# Allegro board Try it by yourself - iMX6Rex module - DIFF Pair activities.brd (continued)
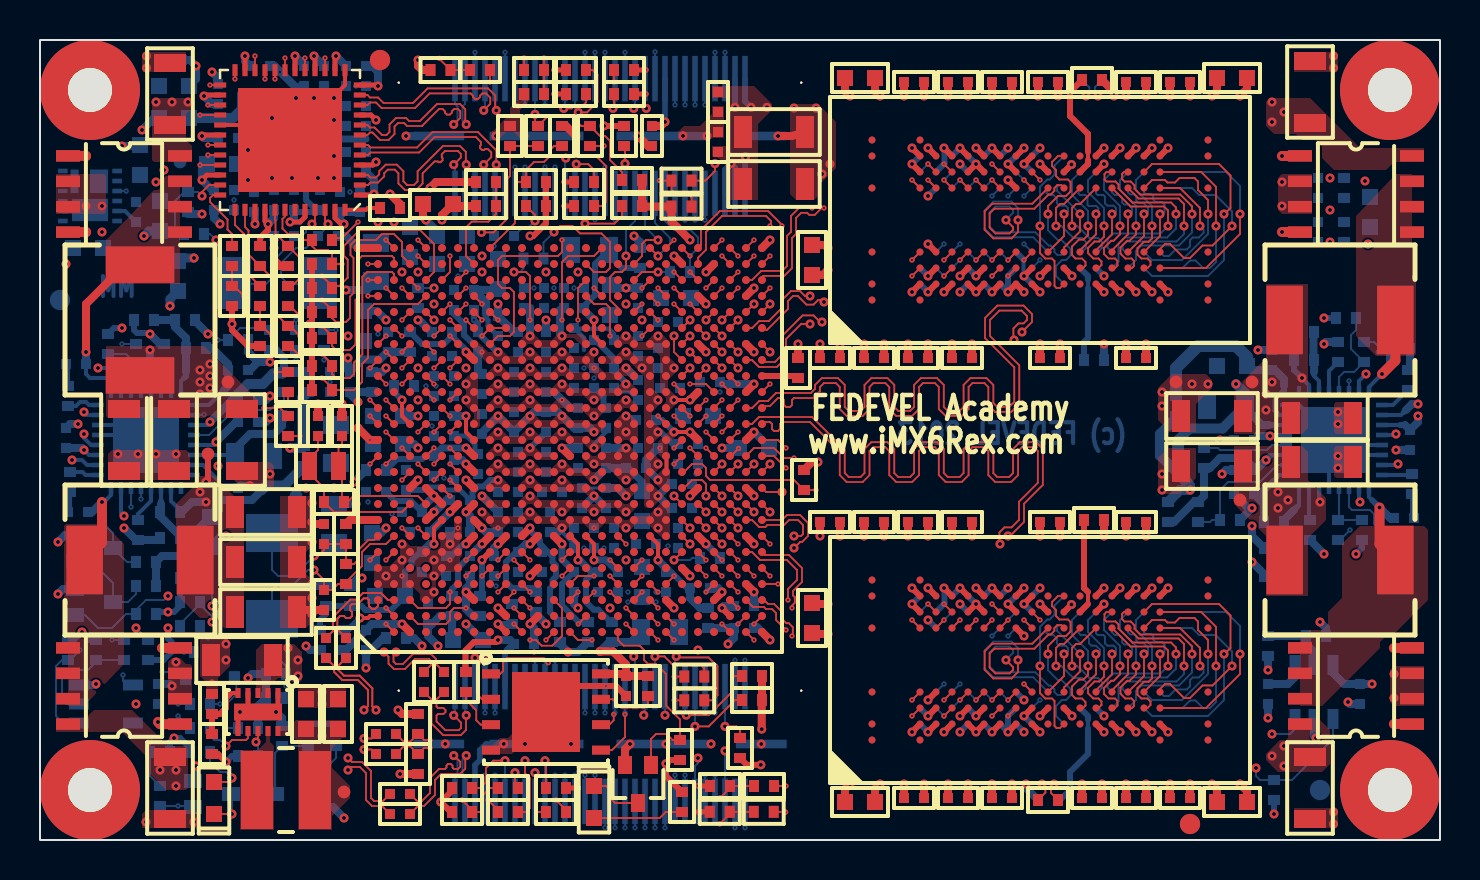
[diagram p0: board, top side]
## Routing (per net, layer and track width the routed paths; a pad name or vN(x,y) marks a point on that pad's centre or on a via; arc(x,y) is an arc through that point) (continued)
DRAM_DQS2_N: length 28.6
  TOP w0.09: v1(37.7,14.6) 37.71,14.6 38.01,14.9 38.1,14.9 38.4,15.2 38.4,15.85 38,16.25 37.35,16.25 37.1,16 U1.AE8
  L10 w0.085: v5(48.8,10.6) 48.7,10.5 48.7,10.23 48.47,10 48.1,10 47.88,9.78 47.88,8.18 47.49,7.8 46.55,7.8 46.12,8.23 46.12,8.58 45.6,9.1 43.8,9.1 43.01,9.88 41.84,9.88 41.5,10.23 41.5,10.8 42,11.3 42,11.6 41.86,11.73 41.52,11.73 40.92,11.13 40.34,11.13 40,11.48 40,11.96 40.77,12.72 40.77,12.97 40.59,13.14 40.35,13.14 39.52,12.32 39.04,12.32 38.7,12.66 38.7,13.14 39.63,14.06 39.63,14.28 39.35,14.55 37.75,14.55 v1(37.7,14.6)
  L11 w0.1: v6(48.4,10.2) v5(48.8,10.6)
  BOTTOM w0.09: v6(48.4,10.2) v5(48.8,10.6)
DRAM_DQS2_P: length 28.6
  TOP w0.09: U1.AD8 35.6,16 35.95,15.65 36.27,15.65 36.37,15.75 37.2,15.75 37.45,16 37.9,16 38.15,15.75 38.15,15.3 38.05,15.2 v1(37.7,15.2)
  L10 w0.085: v1(37.7,15.2) 37.75,15.2 38.12,14.83 39.47,14.83 39.91,14.39 39.91,13.95 38.98,13.02 38.98,12.77 39.16,12.6 39.4,12.6 40.23,13.42 40.71,13.42 41.05,13.08 41.05,12.61 40.28,11.84 40.28,11.59 40.46,11.41 40.8,11.41 41.4,12.01 41.98,12.01 42.28,11.72 42.28,11.18 41.78,10.68 41.78,10.34 41.95,10.16 43.13,10.16 43.91,9.38 45.72,9.38 46.4,8.7 46.4,8.35 46.67,8.08 47.38,8.08 47.6,8.3 47.6,9.89 47.98,10.28 48.35,10.28 48.42,10.35 48.42,10.48 48.3,10.6 v5(48,10.6)
  L11 w0.1: v6(47.6,10.2) v5(48,10.6)
  BOTTOM w0.09: v6(47.6,10.2) v5(48,10.6)
DRAM_DQS3_N: length 19.9
  TOP w0.09: U1.AB10 v1(34.1,17.2)
  L10 w0.085: v5(45.6,8.2) 45.1,8.2 44.92,8.38 43.42,8.38 42.7,9.1 41.52,9.1 40.75,9.87 40.75,10.15 40.38,10.52 40.1,10.52 37.78,12.84 37.78,13.92 37.33,14.37 37.33,16.57 35.87,18.03 34.6,18.03 34.31,17.74 34.31,17.43 34.1,17.22 v1(34.1,17.2)
  L11 w0.1: v6(45.2,7.8) v5(45.6,8.2)
  BOTTOM w0.09: U3.B7 v6(45.2,7.8)
DRAM_DQS3_P: length 19.9
  TOP w0.09: U1.AC10 v1(34.9,17.2)
  L10 w0.085: v1(34.9,17.2) 34.81,17.2 34.59,17.42 34.59,17.62 34.72,17.75 35.75,17.75 37.05,16.45 37.05,14.25 37.5,13.8 37.5,12.72 39.98,10.24 40.27,10.24 40.47,10.03 40.47,9.75 41.4,8.82 42.59,8.82 43.3,8.1 44.8,8.1 44.98,7.92 45.35,7.92 45.6,7.67 v5(45.6,7.4)
  L11 w0.1: v5(45.6,7.4) v6(46,7.8)
  BOTTOM w0.09: v5(45.6,7.4) v6(46,7.8)
DRAM_DQS4_N: length 32
  TOP w0.09: U1.AE18 36.2,23.9 36.75,23.9 37.05,24.2 37.05,25.15 38.13,26.23 38.68,26.23 39.01,25.9 v1(39.1,25.9)
  L10 w0.085: v5(48.8,32.6) 48.68,32.6 48.48,32.4 48.48,32.23 48,31.75 47.25,31.75 46.86,31.36 46.86,30.7 46.55,30.39 46.01,30.39 45.7,30.7 45.7,31.2 45.35,31.55 43.05,31.55 42.76,31.26 42.76,30.5 42.45,30.19 41.91,30.19 41.6,30.5 41.6,31.58 41.45,31.73 41.15,31.73 41,31.58 41,29.66 40.69,29.35 40.15,29.35 39.84,29.66 39.84,30.96 39.69,31.11 39.39,31.11 39.24,30.96 39.24,30.44 38.08,29.28 38.08,28.68 37.58,28.18 36.62,28.18 36.47,28.03 36.47,27.73 36.62,27.58 37.65,27.58 38.12,27.12 38.12,26.88 v1(39.1,25.9)
  L11 w0.1: v6(48.4,32.2) v5(48.8,32.6)
  BOTTOM w0.09: v6(48.4,32.2) v5(48.8,32.6)
DRAM_DQS4_P: length 32
  TOP w0.09: U1.AD18 35.6,24 35.95,23.65 36.85,23.65 37.3,24.1 37.3,25.05 38.05,25.8 v1(38.5,25.8)
  L10 w0.085: v1(38.5,25.8) 38.5,26.1 37.84,26.77 37.84,27 37.54,27.3 36.5,27.3 36.19,27.61 36.19,28.15 36.5,28.46 37.46,28.46 37.8,28.8 37.8,29.4 38.96,30.56 38.96,31.08 39.27,31.39 39.81,31.39 40.12,31.08 40.12,29.78 40.27,29.63 40.57,29.63 40.72,29.78 40.72,31.7 41.03,32.01 41.57,32.01 41.88,31.7 41.88,30.62 42.03,30.47 42.33,30.47 42.48,30.62 42.48,31.38 42.93,31.83 45.46,31.83 45.98,31.32 45.98,30.82 46.13,30.67 46.43,30.67 46.58,30.82 46.58,31.48 47.14,32.03 47.88,32.03 48.2,32.35 48.2,32.5 48.1,32.6 v5(48,32.6)
  L11 w0.1: v6(47.6,32.2) v5(48,32.6)
  BOTTOM w0.09: v6(47.6,32.2) v5(48,32.6)
DRAM_DQS5_N: length 18.5
  TOP w0.09: U1.AE20 36.19,25.51 36.36,25.51 37.4,26.55 37.4,26.95 37.65,27.2 37.89,27.2 38.32,26.77 38.68,26.77 38.91,27 39.1,27 v1(39.2,26.9)
  L10 w0.085: v1(39.2,26.9) 38.96,27.14 38.96,27.39 38.78,27.57 38.78,28.4 39.25,28.87 39.55,28.87 39.8,28.62 39.8,27.5 40.28,27.02 41.42,27.02 41.9,27.5 41.9,28.4 44.1,30.6 44.6,30.6 45.32,29.88 45.32,29.65 45.07,29.4 v5(44.8,29.4)
  L11 w0.1: v5(44.8,29.4) v6(45.2,29.8)
  BOTTOM w0.09: v5(44.8,29.4) v6(45.2,29.8)
DRAM_DQS5_P: length 18.5
  TOP w0.09: v1(38.5,27.2) 38.25,27.2 38,27.45 37.55,27.45 37.15,27.05 37.15,26.66 36.44,25.95 35.96,25.95 35.61,25.6 U1.AD20
  L10 w0.085: v1(38.5,27.2) 38.5,28.52 39.13,29.15 39.67,29.15 40.08,28.74 40.08,27.62 40.4,27.3 41.3,27.3 41.62,27.62 41.62,28.51 43.98,30.88 44.72,30.88 45.6,30 v5(45.6,29.4)
  L11 w0.1: v5(45.6,29.4) v6(46,29.8)
  BOTTOM w0.09: v5(45.6,29.4) v6(46,29.8)
DRAM_DQS6_N: length 17.2
  TOP w0.09: U1.AE23 36.1,28.14 36.16,28.21 37.21,28.21 37.6,28.59 37.6,30.1 37.8,30.3 37.8,31.1 38.06,31.36 38.36,31.36 38.46,31.26 38.74,31.26 39.08,31.6 v2(39.2,31.6) ; v2(44.4,33) v3(44.8,32.6)
  L2 w0.1: v3(38.9,31.9) v2(39.2,31.6) ; v2(44.4,33) v3(44.8,32.6)
  L3 w0.085: v3(38.9,31.9) 39.22,31.58 40.08,31.58 40.6,32.1 43.92,32.1 44.32,31.7 44.7,31.7 45.27,31.13 45.58,31.13 45.75,31.3 45.75,31.62 45.3,32.07 45.3,32.37 45.07,32.6 v3(44.8,32.6)
DRAM_DQS6_P: length 17.2
  TOP w0.09: U1.AD23 35.6,28 36.06,28.46 37.11,28.46 37.35,28.7 37.35,30.2 37.55,30.4 37.55,31.2 37.96,31.61 38.59,31.61 v2(38.6,31.6) ; v2(45.2,33) v3(45.6,32.6)
  L2 w0.1: v2(38.6,31.6) v3(38.9,31.3) ; v2(45.2,33) v3(45.6,32.6)
  L3 w0.085: v3(38.9,31.3) 40.2,31.3 40.72,31.82 43.8,31.82 43.91,31.71 44.2,31.42 44.58,31.42 45.15,30.85 45.7,30.85 46.03,31.18 46.03,31.74 45.58,32.19 45.58,32.58 v3(45.6,32.6)
DRAM_DQS7_N: length 25
  TOP w0.09: v2(36.5,30.7) 36.55,30.75 36.55,30.95 36.3,31.2 34.1,31.2 33.3,30.4 33.3,29.51 32.9,29.11 U1.AA24 ; v2(48.4,29) v3(48.8,29.4)
  L2 w0.1: v2(36.5,30.7) v3(36.8,31) ; v2(48.4,29) v3(48.8,29.4)
  L3 w0.085: v3(48.8,29.4) 48.72,29.48 48.72,29.92 48.82,30.02 49.12,30.02 49.58,30.48 49.58,31.72 49.22,32.08 47.96,32.08 47.6,31.72 47.6,30.35 47.43,30.18 44.95,30.18 44.53,30.6 38.6,30.6 38.2,31 v3(36.8,31)
DRAM_DQS7_P: length 25
  TOP w0.09: v2(37.1,30.7) 37.1,30.76 36.41,31.45 33.99,31.45 33.05,30.51 33.05,29.75 U1.AA25 ; v2(47.6,29) v3(48,29.4)
  L2 w0.1: v2(47.6,29) v3(48,29.4) ; v3(36.8,30.4) v2(37.1,30.7)
  L3 w0.085: v3(36.8,30.4) 36.8,30.47 37.05,30.72 38.08,30.72 38.48,30.32 44.41,30.32 44.83,29.9 47.55,29.9 47.88,30.23 47.88,31.6 48.08,31.8 49.1,31.8 49.3,31.6 49.3,30.6 49,30.3 48.7,30.3 48.44,30.04 48.44,29.62 48.22,29.4 v3(48,29.4)
DRAM_RAS_B: length 70.1
  TOP w0.093: U1.AB15 v2(34.1,22) ; v1(51.2,9.3) 51.2,8.2 U2.J3 ; v1(51.2,31.3) 51.2,30.2 U4.J3
  L2 w0.1: v3(33.8,21.7) v2(34.1,22)
  L3 w0.08: v3(33.8,21.7) 33.71,21.62 33.31,21.62 32.5,20.8 29.8,20.8 29.67,20.93 29.67,21.36 29.46,21.58 28.27,21.58 28.12,21.43 28.12,21.18 28.3,21 28.3,20.55 28.15,20.4 28.15,20.15 28.27,20.03 32.7,20.03 32.87,20.2 32.87,20.37 33.28,20.78 33.28,20.79 33.71,21.22 34,21.22 34.14,21.35 39.33,21.35 41.44,19.25 46.35,19.25 v4(46.5,19.1)
  L10 w0.08: v1(51.2,9.3) 51.2,9.6 52.53,10.93 52.53,12 52.25,12.28 52.25,13.35 50.98,14.63 50.76,14.63 50.42,14.96 50.42,15.31 50.13,15.6 49.82,15.6 49.17,16.25 47.05,16.25 46.8,16.5 46.8,17 46.95,17.15 47.65,17.15 47.8,17.3 47.8,17.55 47.65,17.7 46.95,17.7 46.8,17.85 46.8,18.53 46.5,18.83 v4(46.5,19.1) 46.5,19.2 47,19.7 47,22.4 47.55,22.95 48.68,22.95 49.96,24.22 50.24,24.22 50.57,24.56 50.57,25.11 52.53,27.07 52.53,29.07 51.2,30.41 v1(51.2,31.3)
  BOTTOM w0.093: U5.J3 50.32,32.52 50.32,32.37 50.43,32.25 50.67,32.25 50.85,32.07 50.85,31.84 50.97,31.72 51.28,31.72 51.4,31.6 51.4,31.43 51.27,31.3 v1(51.2,31.3) ; U3.J3 50.32,10.52 50.32,10.37 50.43,10.25 50.67,10.25 50.85,10.07 50.85,9.84 50.97,9.72 51.28,9.72 51.4,9.6 51.4,9.43 51.27,9.3 v1(51.2,9.3)
DRAM_RESET_B: length 80.6
  TOP w0.093: v1(60,31.3) 60,30.3 58.3,28.6 U4.T2 ; U2.T2 58.3,6.6 60,8.3 v1(60,9.3) ; v1(31.7,14) U1.Y6
  L3 w0.08: v1(31.7,14) 31.7,14.53 32.39,15.23 35.12,15.23 35.3,15.4 37.37,15.4 37.54,15.58 55.56,15.58 57.1,17.12 57.1,17.7 57.6,18.2 58.3,18.2 58.9,18.8 59.2,18.8 v4(60.8,20.4)
  L10 w0.08: v1(60,9.3) 61.1,10.4 61.1,18.23 60.8,18.53 v4(60.8,20.4) 60.8,23.43 61.35,23.98 61.35,29.95 v1(60,31.3)
  BOTTOM w0.093: U3.T2 59.3,11.4 60,10.7 v1(60,9.3) ; U5.T2 59.3,33.4 60,32.7 v1(60,31.3) ; R7.2 32.6,14.1 32.5,14 v1(31.7,14) 31.8,14.1
DRAM_SDBA0: length 80.3
  TOP w0.093: v1(53.2,8.7) 53.2,8.17 52.96,7.93 52.72,7.93 52.4,7.6 52.4,7.34 52.67,7.08 52.92,7.08 53.07,6.93 53.07,6.75 52.95,6.63 52.8,6.63 ; 52.77,28.63 52.8,28.63 ; 52.8,28.63 U4.M2 ; 52.8,28.63 52.95,28.63 53.07,28.75 53.07,28.93 52.92,29.08 52.67,29.08 52.4,29.34 52.4,29.6 52.72,29.93 52.96,29.93 53.2,30.17 v1(53.2,30.7) ; U2.M2 52.8,6.63 ; 52.8,6.63 52.77,6.63 ; U1.AC15 v2(34.9,22)
  L2 w0.1: v3(34.6,21.7) v2(34.9,22)
  L3 w0.08: v3(34.6,21.7) 34.7,21.6 39.42,21.6 41.52,19.5 46.7,19.5 46.9,19.3 47.57,19.3 48.15,18.73 50.75,18.73 50.9,18.87 50.9,19.22 50.64,19.48 49.45,19.48 v4(49.28,19.3)
  L10 w0.08: v1(53.2,8.7) 53.2,9.63 55.17,11.61 55.17,12.78 54.95,13 54.43,13 54.11,13.32 54.11,13.59 54.34,13.82 54.34,14.09 54.13,14.3 53.86,14.3 53.58,14.02 53.31,14.02 53.1,14.23 53.1,14.5 53.57,14.98 53.57,15.36 53.36,15.58 53.02,15.58 52.65,15.2 52.38,15.2 52.17,15.41 52.17,15.66 51.35,16.48 51.35,17.9 51.2,18.05 50.95,18.05 50.8,17.9 50.8,17.4 50.65,17.25 50.4,17.25 50.25,17.4 50.25,17.9 50.1,18.05 49.85,18.05 49.7,17.9 49.7,17.65 49.55,17.5 49.3,17.5 49.15,17.65 49.15,18.4 49.3,18.55 50.9,18.55 51.05,18.7 51.05,18.95 50.9,19.1 49.48,19.1 v4(49.28,19.3) 49.28,20.18 49.43,20.33 49.68,20.33 49.83,20.18 49.83,19.77 49.98,19.62 50.23,19.62 50.38,19.77 50.38,20.18 50.53,20.33 50.76,20.33 51.9,21.47 51.9,22.6 52.05,22.75 52.67,22.75 52.82,22.9 52.82,23.15 52.67,23.3 52,23.3 51.85,23.45 51.85,23.7 52,23.85 53.15,23.85 53.3,24 53.3,24.25 53.15,24.4 52.55,24.4 52.4,24.55 52.4,25 52.6,25.2 54.25,25.2 54.4,25.35 54.4,25.6 54.25,25.75 53.65,25.75 53.5,25.9 53.5,26.15 53.65,26.3 55.03,26.3 55.97,27.24 55.97,27.74 53.2,30.52 v1(53.2,30.7)
  BOTTOM w0.093: U3.M2 52.4,11 52.4,10.4 53.2,9.6 v1(53.2,8.7) ; U5.M2 52.4,33 52.4,32.4 53.2,31.6 v1(53.2,30.7)
DRAM_SDBA1: length 77.1
  TOP w0.093: v1(56.8,31.3) 56.8,31.63 56.55,31.88 54.62,31.88 53.92,32.58 53.92,32.78 53.77,32.93 53.33,32.93 53.22,33.03 53.22,33.3 53.33,33.4 U4.N8 ; U1.Y15 v2(32.5,21.2) ; U2.N8 53.33,11.4 53.22,11.3 53.22,11.03 53.33,10.93 53.77,10.93 53.92,10.78 53.92,10.58 54.62,9.88 56.55,9.88 56.8,9.63 v1(56.8,9.3)
  L2 w0.1: v3(32.2,21.5) v2(32.5,21.2)
  L3 w0.08: v4(54.9,21) 54.7,21.2 51.5,21.2 51.02,20.73 50.04,20.73 49.6,21.17 49.6,23.2 48.9,23.9 36.9,23.9 36.77,24.03 33.99,24.03 33.72,23.76 33.72,23.49 32.82,22.59 32.55,22.59 32.12,22.16 32.12,21.58 v3(32.2,21.5)
  L10 w0.08: v1(56.8,31.3) 56.8,30.55 58.8,28.55 58.8,25.63 55.38,22.21 55.38,22.02 55.67,21.73 55.67,21.46 55.57,21.36 55.32,21.36 55.08,21.6 54.9,21.6 54.72,21.43 54.72,21.18 v4(54.9,21) 54.93,21 56.6,19.33 56.6,19.22 58.45,17.37 58.45,11.6 56.8,9.95 v1(56.8,9.3)
  BOTTOM w0.093: U5.N8 53.92,28.93 53.92,29.83 54.22,30.13 56.36,30.13 56.8,30.57 v1(56.8,31.3) ; v1(56.8,9.3) 56.8,8.57 56.36,8.13 54.22,8.13 53.92,7.83 53.92,6.93 U3.N8
DRAM_SDBA2: length 72.4
  TOP w0.093: v2(33.3,19.6) U1.AB12 ; v1(53.6,31.3) 53.6,30.28 52.8,29.48 U4.M3 ; U2.M3 52.8,7.48 53.6,8.28 v1(53.6,9.3)
  L2 w0.1: v2(33.3,19.6) v3(33.6,19.3)
  L3 w0.08: v4(52.5,17.5) 52.5,17.1 52.15,16.75 46.05,16.75 45.52,17.28 44.76,17.28 44.49,17 40.66,17 39.36,18.3 38.5,18.3 38.28,18.52 38.28,18.92 38.12,19.09 37.8,19.09 37.63,18.92 37.63,18.73 37.5,18.6 37.11,18.6 36.74,18.23 36.32,18.23 36.1,18 36.1,17 35.9,16.8 33.9,16.8 33.67,17.03 33.67,17.36 33.46,17.58 33.12,17.58 32.9,17.8 32.9,19 33.2,19.3 v3(33.6,19.3)
  L10 w0.08: v1(53.6,31.3) 53.6,30.47 55.87,28.2 56.13,28.2 56.77,27.56 56.77,27.24 54.67,25.14 54.67,24.64 53.1,23.07 53.1,22.85 52.1,21.85 52.1,21.3 51,20.2 51,19.6 52.6,18 52.6,17.6 v4(52.5,17.5) 52.45,17.45 51.9,17.45 51.75,17.3 51.75,17.05 51.9,16.9 53.5,16.9 53.65,16.75 53.65,16.5 53.5,16.35 52.35,16.35 52.2,16.2 52.2,15.95 52.35,15.8 53.8,15.8 54.15,16.15 54.15,16.4 54.3,16.55 54.55,16.55 54.7,16.4 54.7,15.7 54.57,15.58 54.14,15.58 53.92,15.36 53.92,15.04 54.14,14.83 54.47,14.83 54.6,14.7 54.6,13.5 54.9,13.2 55.53,13.2 55.97,12.76 55.97,12.04 53.6,9.67 v1(53.6,9.3)
  BOTTOM w0.093: U3.M3 52.8,10.33 52.88,10.25 53.17,10.25 53.25,10.17 53.25,9.84 53.37,9.72 53.68,9.72 53.8,9.6 53.8,9.43 53.67,9.3 v1(53.6,9.3) ; U5.M3 52.8,32.33 52.88,32.25 53.17,32.25 53.25,32.17 53.25,31.84 53.37,31.72 53.68,31.72 53.8,31.6 53.8,31.43 53.67,31.3 v1(53.6,31.3)
DRAM_SDCKE0: length 81.5
  TOP w0.093: U1.Y11 32.2,18.4 32.6,18.8 33.1,18.8 33.3,18.6 33.3,18.2 33.5,18 37.7,18 R6.2 v2(38.8,17.5) ; v1(50.4,31.3) 50.4,31.7 50.9,32.2 51.3,32.2 51.52,32.43 51.52,32.9 51.4,33.03 50.98,33.03 50.8,33.2 50.8,33.5 50.6,33.7 50.6,33.9 50.9,34.2 U4.K9 ; v1(50.4,9.3) 50.4,9.7 50.9,10.2 51.3,10.2 51.52,10.43 51.52,10.9 51.4,11.03 50.98,11.03 50.8,11.2 50.8,11.5 50.6,11.7 50.6,11.9 50.9,12.2 U2.K9
  L2 w0.1: v3(38.5,17.8) v2(38.8,17.5)
  L3 w0.08: v4(45.1,16.7) 45,16.7 44.8,16.5 40.25,16.5 40.1,16.65 40.1,16.98 39.95,17.13 39.7,17.13 39.55,16.98 39.55,16.65 39.4,16.5 39.15,16.5 39,16.65 39,17.08 38.85,17.23 38.6,17.23 38.45,17.08 38.45,16.65 38.3,16.5 38.05,16.5 37.9,16.65 37.9,17.08 37.75,17.23 37.5,17.23 37.35,17.08 37.35,16.65 37.2,16.5 36.95,16.5 36.72,16.73 36.72,17.56 36.97,17.8 v3(38.5,17.8)
  L10 w0.08: v1(50.4,9.3) 50.4,9.6 51.95,11.15 51.95,11.97 51.68,12.24 51.68,13.2 50.66,14.23 50.6,14.23 50.22,14.6 49.79,14.6 49.3,15.09 49.3,15.33 48.82,15.8 48.19,15.8 47.94,15.55 47.15,15.55 46.4,16.3 45.75,16.3 45.6,16.45 45.6,16.7 45.75,16.85 46.2,16.85 46.35,17 46.35,17.25 46.2,17.4 45.65,17.4 45.5,17.55 45.5,17.8 45.65,17.95 46.2,17.95 46.35,18.1 46.35,18.35 45.7,19 45.3,19 45,18.7 45,17.38 45.3,17.08 45.3,16.9 v4(45.1,16.7) 44.8,16.7 44.25,17.25 44.25,18.65 45.2,19.6 45.2,22.1 46.55,23.45 48.5,23.45 49.62,24.58 49.62,24.96 49.99,25.32 50.1,25.32 52,27.22 52,28.9 50.4,30.5 v1(50.4,31.3)
  BOTTOM w0.093: U3.K9 50.8,6.2 50.8,6.7 51.1,7 51.3,7 51.52,7.23 51.52,7.55 51.07,8 50.89,8 50.4,8.49 v1(50.4,9.3) ; U5.K9 50.8,28.2 50.8,28.7 51.1,29 51.3,29 51.52,29.22 51.52,29.55 51.07,30 50.89,30 50.4,30.49 v1(50.4,31.3)
DRAM_SDODT0: length 79.1
  TOP w0.093: v1(50,30.7) 50,29.34 50.27,29.08 50.6,29.08 50.72,28.95 50.72,27.7 50.82,27.6 51,27.6 U4.K1 ; v2(34.1,22.8) U1.AC16 ; v1(50,8.7) 50,7.34 50.27,7.08 50.6,7.08 50.72,6.95 50.72,5.7 50.82,5.6 51,5.6 U2.K1
  L2 w0.1: v2(34.1,22.8) v3(34.4,23.1)
  L3 w0.08: v3(34.4,23.1) 34.93,23.1 35.48,23.65 48.83,23.65 49.35,23.13 49.35,21.05 48.92,20.63 47.51,20.63 47.3,20.83 47.3,21.2 47.15,21.35 45,21.35 44.85,21.5 v4(44.7,21.5)
  L10 w0.08: v1(50,30.7) 50,30.5 51.5,29 51.5,28.68 51.22,28.4 51.22,27.98 51.5,27.7 51.5,27.11 49.42,25.04 49.42,24.71 48.42,23.7 46.4,23.7 45.4,22.7 44.9,22.7 44.75,22.55 44.75,22.3 44.6,22.15 44.35,22.15 44.2,22.3 44.2,22.55 44.05,22.7 43.8,22.7 43.65,22.55 43.65,20.4 43.8,20.25 44.1,20.25 44.25,20.4 44.25,21.3 44.45,21.5 v4(44.7,21.5) 44.9,21.3 44.9,19.7 43.9,18.7 43.9,17.27 45.12,16.05 46.28,16.05 47,15.33 48,15.33 48.24,15.58 48.72,15.58 49,15.3 49,15.1 49.7,14.4 50.14,14.4 51.4,13.14 51.4,12.13 51.2,11.93 51.2,11.62 51.4,11.42 51.4,10.95 50.02,9.57 50.02,8.73 v1(50,8.7)
  BOTTOM w0.093: v1(50,30.7) 50,32.66 50.37,33.03 50.48,33.03 50.72,33.27 50.72,33.73 U5.K1 ; v1(50,8.7) 50,10.66 50.37,11.03 50.48,11.03 50.72,11.27 50.72,11.73 U3.K1
DRAM_WE_B: length 70.9
  TOP w0.093: U1.AB16 33.3,22.8 v2(32.5,22.8) ; U4.L3 52,29.48 52.8,30.28 v1(52.8,31.3) ; v1(52.8,9.3) 52.8,8.28 52,7.48 U2.L3
  L2 w0.1: v3(32.2,23.1) v2(32.5,22.8)
  L3 w0.08: v4(50.7,21.1) 50.7,21.2 51.2,21.7 51.5,21.7 51.65,21.85 51.65,22.15 51.5,22.3 51.25,22.3 51.1,22.45 51.1,22.75 51.25,22.9 51.5,22.9 51.65,23.05 51.65,23.95 51.17,24.43 37.34,24.43 36.74,25.03 34.81,25.03 34.26,25.58 33.14,25.58 32.93,25.36 32.93,25.09 32.66,24.83 32.39,24.83 32.12,24.56 32.12,23.4 32.2,23.33 v3(32.2,23.1)
  L10 w0.08: v1(52.8,9.3) 52.8,9.6 54.57,11.38 54.57,12.1 54.37,12.3 54.37,12.76 54.05,13.08 53.89,13.08 51.87,15.1 51.87,15.42 50.05,17.25 49.2,17.25 48.9,17.55 48.9,20.4 49.12,20.63 50.32,20.63 50.7,21 v4(50.7,21.1) 51.05,21.45 51.52,21.45 51.67,21.6 51.67,21.85 51.52,22 50.9,22 50.75,22.15 50.75,22.4 50.9,22.55 51.52,22.55 51.67,22.7 51.67,22.95 51.52,23.1 50.92,23.1 50.77,23.25 50.77,23.5 50.92,23.65 51.5,23.65 52.12,24.28 52.12,25.18 53.77,26.83 54.92,26.83 55.2,27.1 55.2,28.17 52.8,30.57 v1(52.8,31.3)
  BOTTOM w0.093: U5.L3 51.92,32.53 51.92,32.33 52,32.25 52.27,32.25 52.37,32.14 52.37,31.76 52.43,31.7 52.82,31.7 52.92,31.6 52.92,31.4 52.82,31.3 v1(52.8,31.3) ; U3.L3 51.92,10.52 51.92,10.37 52.03,10.25 52.27,10.25 52.45,10.07 52.45,9.84 52.57,9.72 52.8,9.72 53,9.52 53,9.43 52.87,9.3 v1(52.8,9.3)
EN_1V375: length 24.7
  L10 w0.08: v5(4.15,22.95) 3.2,22 3.2,18.48 2.72,18 2.72,16.74 3.1,16.37 v5(3.1,15.5) 3.1,12.7 3.8,12 3.8,11.2 4.16,10.84 4.16,8.7 4.76,8.1 4.76,7.54 5.9,6.4 6.3,6.4 v5(6.5,6.2)
  L11 w0.1: v5(6.5,6.2) v6(6.9,6.2) ; v5(3.1,15.5) v6(3.1,15.9) ; v5(4.15,22.95) v6(4.55,22.95)
  BOTTOM w0.093: U11.27 v6(4.55,22.95) ; v6(3.1,15.9) 3.65,15.35 Q5.3 4.35,13.9 R132.1 ; v6(6.9,6.2) R93.2
ENET_LED_LINK: length 7.9
  TOP w0.093: R81.2 v2(24.2,39.1)
  L2 w0.1: v3(24.2,38.7) v2(24.2,39.1)
  L3 w0.08: v4(20.5,38.6) 21.42,38.6 21.6,38.78 24.12,38.78 v3(24.2,38.7)
  L10 w0.08: v4(20.5,38.6) 20.5,39 20.88,39.38 v5(21.35,39.38)
  L11 w0.1: v5(21.35,39.38) v6(21.75,39.38)
  BOTTOM w0.093: J1.56 v6(21.75,39.38)
ENET_LED_RX: length 12
  TOP w0.093: v2(22.5,37.9) R82.2
  L2 w0.1: v2(22.5,37.9) v3(22.8,38.2)
  L3 w0.08: v4(22.4,38.2) v3(22.8,38.2)
  L10 w0.08: v5(21.35,31.02) 20.31,32.06 20.31,34.01 20.7,34.4 21.4,34.4 21.78,34.78 21.78,36.8 22.4,37.42 v4(22.4,38.2)
  L11 w0.1: v5(21.35,31.02) v6(21.75,31.02)
  BOTTOM w0.093: J1.55 v6(21.75,31.02)
ENET_REF_CLK: length 23
  TOP w0.093: v2(13,26.2) 12.5,26.7 R36.2 ; U1.V22 v2(30.9,26.8)
  L2 w0.1: v3(30.6,27.1) v2(30.9,26.8) ; v3(12.7,26.5) v2(13,26.2)
  L3 w0.08: v3(30.6,27.1) 30.52,27.18 29.12,27.18 28.95,27.35 27.85,27.35 27.7,27.5 26.2,27.5 26.1,27.6 24.2,27.6 23.48,26.89 23.48,26.18 23.1,25.8 21.6,25.8 21.32,26.08 20.16,26.08 19.86,26.38 19.54,26.38 19.27,26.11 19.27,25.84 19.06,25.63 18.67,25.63 17.65,26.65 17.65,26.65 16.6,26.65 16.46,26.52 14.62,26.52 14.52,26.41 14.28,26.41 13.9,26.8 13,26.8 v3(12.7,26.5)
ENET_REF_CLK_R: length 4.7
  TOP w0.093: U8.41 11.75,31.01 11.77,30.98 11.77,30.33 R99.2 13,29.1 13,28.1 12.6,27.7 R36.1
ETH_ISET: length 2.1
  TOP w0.2: U8.48 16.3,31.51 16.39,31.6 R84.1 16.89,31.51 17,31.4
ETH_OSCI_25MHZ: length 6.7
  TOP w0.093: U8.46 14.25,30.95 v1(14.4,30.8)
  BOTTOM w0.093: Y3.2 13.85,27.8 12.4,27.8 12.05,28.15 12.05,28.85 12.8,29.6 13.3,29.6 C175.1 14.4,30.7 v1(14.4,30.8)
ETH_OSCO_25MHZ: length 6.9
  TOP w0.093: v1(13.6,30.8) 13.6,30.7 13.75,30.85 U8.45
  BOTTOM w0.093: v1(13.6,30.8) 13.55,30.8 13.3,30.55 13.3,30.4 13.1,30.2 C176.1 12.7,30 11.65,28.95 11.65,28.15 11.3,27.8 9.6,27.8 Y3.1
FB1_2V5: length 3.1
  BOTTOM w0.2: 63.7,23.3 63.7,23.2 63.95,22.95 U13.11
  BOTTOM w0.3: 63.7,23.3 63.7,23.4
  BOTTOM w0.4: R150.2 63.68,25.38 63.68,24.03 R147.1 63.7,23.4
FB1_3V3: length 2.9
  BOTTOM w0.2: 6.05,16.95 U11.11
  BOTTOM w0.3: 6.05,16.8 6.05,16.95
  BOTTOM w0.4: R126.2 7,15.2 6,16.2 R123.1 6.05,16.45 6.05,16.8
FB_3V0_SNVS: length 3
  TOP w0.2: 9.5,7.3 9.55,7.35 U12.5
  TOP w0.3: 9.5,7.3 9.3,7.1 9.3,6.6 9,6.3 R139.2 R138.1
HDMI_CEC: length 27.6
  TOP w0.093: v2(28.2,34.71) 28.19,34.7 R25.1 ; U1.W4 v2(31.7,13.2)
  L2 w0.1: v2(28.2,34.71) v3(28.6,34.71) ; v3(31.4,13.5) v2(31.7,13.2)
  L3 w0.08: v3(28.6,34.71) 28.9,34.71 v4(29,34.81) ; v4(31.7,15.2) 31.27,14.78 31.27,13.63 v3(31.4,13.5)
  L10 w0.08: v4(31.7,15.2) 30.1,15.2 29.7,15.6 29.7,24.6 29.52,24.78 29.19,24.78 28.92,25.04 28.92,25.36 29.2,25.63 29.2,26.37 28.92,26.64 28.92,26.96 29.14,27.18 29.41,27.18 29.67,27.44 29.67,27.83 29.5,28 29.5,28.87 29.67,29.04 29.67,29.69 29.32,30.04 29.32,33.21 28.87,33.66 28.87,34.68 v4(29,34.81)
HDMI_CEC_IN: length 9
  TOP w0.093: v1(24.75,36.28) 24.75,35.85 R24.2 25.4,36.2 26.56,36.2 27.06,35.7 R25.2 27.99,35.21 28.25,35.21 28.5,34.96 28.5,34 29.1,33.4 R22.1
  BOTTOM w0.093: v1(24.75,36.28) J1.44
HDMI_CLK_N: length 32.2
  TOP w0.09: v4(22.9,13.2) U1.J5
  L2 w0.1: v4(22.9,13.2) v3(23.2,13.5)
  L3 w0.085: v4(22.9,13.2) v3(23.2,13.5)
  L10 w0.085: v5(24.25,33.24) 24.25,33.22 24.08,33.05 24.08,32.76 23.62,32.3 22.36,32.3 22.21,32.15 22.21,31.85 22.36,31.7 23.9,31.7 24.21,31.39 24.21,30.85 23.9,30.54 23.26,30.54 23.11,30.39 23.11,30.09 23.26,29.94 23.9,29.94 24.21,29.63 24.21,29.09 23.9,28.78 23.26,28.78 23.08,28.6 23.08,28.33 23.6,27.82 23.6,27 24.11,26.48 24.11,24.05 23.57,23.51 23.57,23.24 24.11,22.69 24.11,22.19 23.57,21.65 23.57,21.38 24.11,20.83 24.11,20.33 23.57,19.79 23.57,19.52 24.11,18.97 24.11,18.47 23.57,17.93 23.57,17.66 24.11,17.11 24.11,16.61 23.57,16.07 23.57,15.8 24.11,15.25 24.11,14.85 23.36,14.1 23.36,13.66 v4(22.9,13.2)
  L11 w0.1: v5(24.25,33.24) v6(24.25,33.64)
  BOTTOM w0.09: J1.45 v6(24.25,33.64)
HDMI_CLK_P: length 32.2
  TOP w0.09: v4(22.9,14) U1.J6
  L2 w0.1: v4(22.9,14) v3(23.2,14.3)
  L3 w0.085: v4(22.9,14) v3(23.2,14.3)
  L10 w0.085: v4(22.9,14) 22.8,13.9 22.6,13.9 22.5,14 22.5,14.15 22.75,14.4 23.26,14.4 23.83,14.97 23.83,15.14 23.29,15.68 23.29,16.18 23.83,16.73 23.83,17 23.29,17.54 23.29,18.04 23.83,18.59 23.83,18.86 23.29,19.4 23.29,19.9 23.83,20.45 23.83,20.72 23.29,21.26 23.29,21.76 23.83,22.31 23.83,22.58 23.29,23.12 23.29,23.62 23.83,24.17 23.83,26.36 23.31,26.88 23.31,27.7 22.8,28.22 22.8,28.71 23.15,29.06 23.78,29.06 23.93,29.21 23.93,29.51 23.78,29.66 23.15,29.66 22.83,29.97 22.83,30.51 23.15,30.82 23.78,30.82 23.93,30.97 23.93,31.27 23.78,31.42 22.25,31.42 21.93,31.73 21.93,32.27 22.25,32.58 23.5,32.58 23.8,32.88 23.8,33.19 v5(23.75,33.24)
  L11 w0.1: v5(23.75,33.24) v6(23.75,33.64)
  BOTTOM w0.09: v6(23.75,33.64) J1.47
HDMI_D0_N: length 32.1
  TOP w0.09: v2(23.7,14) v3(24.1,13.6)
  L2 w0.1: v2(23.7,14) v3(24.1,13.6)
  L3 w0.085: v4(23.8,13.9) v3(24.1,13.6)
  L10 w0.085: v5(25.75,33.24) 25.75,32.68 25.48,32.41 25.48,32.2 25.96,31.72 25.96,31.25 25.15,30.44 25.15,29.55 25.4,29.3 26.15,29.3 26.53,28.92 26.53,28.2 26.03,27.69 24.8,27.69 24.65,27.54 24.65,27.14 24.8,26.99 25.81,26.99 26.24,26.56 26.24,25.86 25.68,25.3 25.4,25.3 25.18,25.08 25.18,24.63 25.73,24.08 25.73,23.58 25.18,23.04 25.18,22.77 25.73,22.22 25.73,21.72 25.18,21.18 25.18,20.91 25.73,20.36 25.73,19.86 25.18,19.32 25.18,19.05 25.73,18.5 25.73,18 25.18,17.46 25.18,17.19 25.73,16.64 25.73,16.14 25.18,15.6 25.18,15.32 25.7,14.8 25.7,14.25 25.01,13.57 24.13,13.57 v4(23.8,13.9)
  L11 w0.1: v5(25.75,33.24) v6(25.75,33.64)
  BOTTOM w0.09: v6(25.75,33.64) J1.39
HDMI_D0_P: length 32.1
  TOP w0.09: v3(24.1,14.4) v2(24.5,14)
  L2 w0.1: v3(24.1,14.4) v2(24.5,14)
  L3 w0.085: v3(24.1,14.4) v4(24.4,14.1)
  L10 w0.085: v5(25.25,33.24) 25.25,33.22 25.47,33 25.47,32.8 25.2,32.53 25.2,32.08 25.68,31.6 25.68,31.37 24.87,30.55 24.87,29.44 25.28,29.02 26.03,29.02 26.25,28.8 26.25,28.31 25.91,27.97 24.69,27.97 24.37,27.66 24.37,27.03 24.69,26.71 25.69,26.71 25.96,26.44 25.96,25.98 25.56,25.58 25.28,25.58 24.9,25.2 24.9,24.51 25.45,23.97 25.45,23.7 24.9,23.15 24.9,22.65 25.45,22.11 25.45,21.84 24.9,21.29 24.9,20.79 25.45,20.25 25.45,19.98 24.9,19.43 24.9,18.93 25.45,18.39 25.45,18.12 24.9,17.57 24.9,17.07 25.45,16.53 25.45,16.26 24.9,15.71 24.9,15.2 25.42,14.68 25.42,14.37 25.35,14.3 25.2,14.3 24.95,14.55 24.8,14.55 24.75,14.5 24.75,14.35 25,14.1 25,13.95 24.9,13.85 24.45,13.85 24.4,13.9 v4(24.4,14.1)
  L11 w0.1: v5(25.25,33.24) v6(25.25,33.64)
  BOTTOM w0.09: J1.41 v6(25.25,33.64)
HDMI_D1_N: length 32.1
  TOP w0.09: U1.J3 v4(23.7,12.4)
  L2 w0.1: v3(23.4,12.1) v4(23.7,12.4)
  L3 w0.085: v3(23.4,12.1) v4(23.7,12.4)
  L10 w0.085: v4(23.7,12.4) 23.52,12.58 23.52,12.73 23.62,12.82 23.96,12.82 24.23,12.55 24.77,12.55 25.12,12.9 25.7,12.9 26.53,13.73 26.53,14.32 27.1,14.88 27.1,25.28 27.3,25.48 27.3,27.7 27.58,27.99 27.58,29.91 26.88,30.62 26.88,31 27,31.12 27,32.86 24.98,34.88 24.98,35.42 24.55,35.85 24.22,35.85 24.06,36 24.06,36.14 24.25,36.33 v5(24.25,36.36)
  L11 w0.1: v5(24.25,36.36) v6(24.25,36.76)
  BOTTOM w0.09: v6(24.25,36.76) J1.46
HDMI_D1_P: length 32.1
  TOP w0.09: v4(22.9,12.4) U1.J4
  L2 w0.1: v4(22.9,12.4) v3(23.2,12.7)
  L3 w0.085: v4(22.9,12.4) v3(23.2,12.7)
  L10 w0.085: v5(23.75,36.36) 23.78,36.33 23.78,35.89 24.1,35.57 24.43,35.57 24.7,35.3 24.7,34.76 26.72,32.74 26.72,31.24 26.6,31.12 26.6,30.5 27.3,29.8 27.3,28.1 27.02,27.82 27.02,25.6 26.82,25.4 26.82,15 26.25,14.43 26.25,13.85 25.58,13.18 25,13.18 24.65,12.83 24.35,12.83 24.08,13.1 23.5,13.1 23.24,12.84 23.24,12.74 v4(22.9,12.4)
  L11 w0.1: v5(23.75,36.36) v6(23.75,36.76)
  BOTTOM w0.09: v6(23.75,36.76) J1.48
HDMI_D2_N: length 32.1
  TOP w0.09: U1.K3 v2(24.5,11.6)
  L2 w0.1: v2(24.5,11.6) v3(24.8,11.3)
  L3 w0.085: v3(24.8,11.3) v4(25.1,11.6)
  L10 w0.085: v5(25.75,36.36) 25.73,36.34 25.73,35.68 26.82,34.58 26.94,34.58 27.53,33.99 27.53,33.17 28.31,32.39 28.31,30.29 28.88,29.71 28.88,27.89 28.38,27.38 28.38,15.88 28.8,15.46 28.8,14.67 28.4,14.27 28.4,13.78 26.72,12.1 25.2,12.1 25.1,12 v4(25.1,11.6)
  L11 w0.1: v5(25.75,36.36) v6(25.75,36.76)
  BOTTOM w0.09: v6(25.75,36.76) J1.40
